# Allegro board 1155001-Timing_board_V3_20241024_1805_pcb.brd (continued)
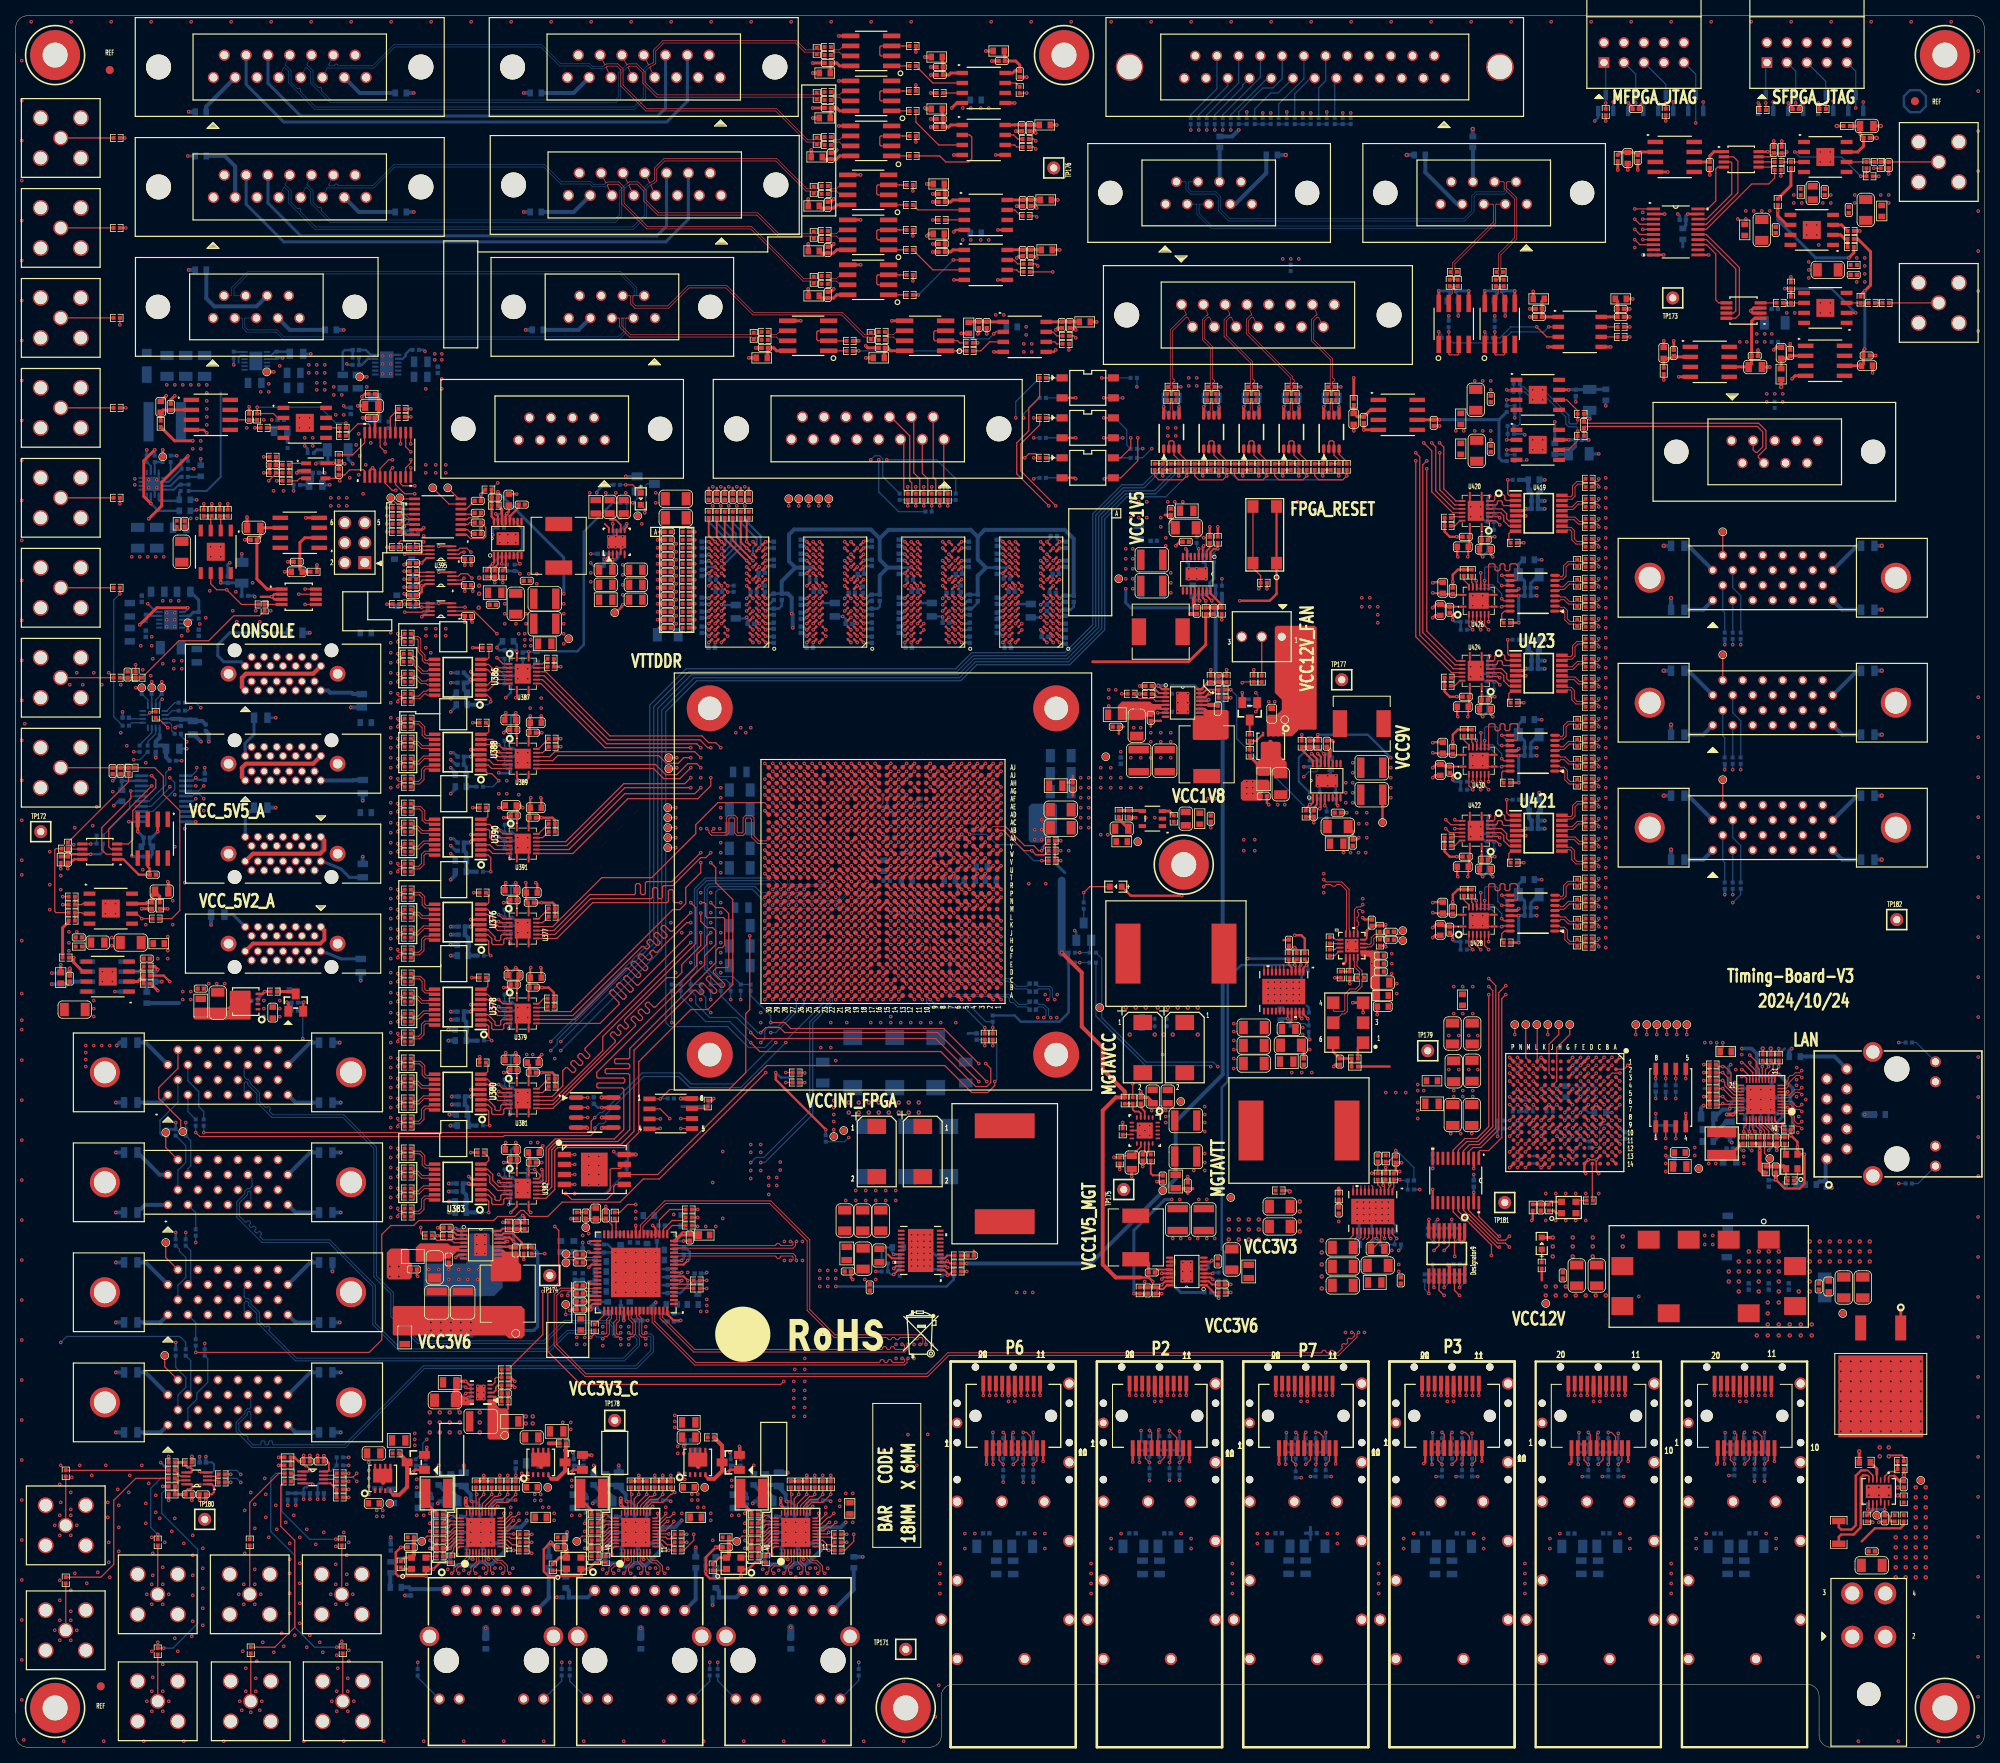
[diagram p0: board, top side]
## Routing (per net, layer and track width the routed paths; a pad name or vN(x,y) marks a point on that pad's centre or on a via; arc(x,y) is an arc through that point) (continued)
DDR3_A_D31: length 37.3
  TOP w0.254: U247.AC2 v1(124.14,118) ; U76.A3 v1(130.97,140.37)
  ART03 w0.102: 127.46,118.73 127.44,118.73 127.19,118.48 125.47,118.48 125.39,118.4 124.42,118.4 124.14,118.12 v1(124.14,118)
  ART03 w0.183: 127.46,118.73 132.92,124.2 132.92,128.22 133.79,129.08 134.89,129.08 135.6,129.79 135.6,134.15 134.7,135.05 134.7,135.31 135.31,135.93 135.31,136.19 135.05,136.45 134.8,136.45 134.18,135.83 133.92,135.83 133.66,136.09 133.66,136.35 134.28,136.96 134.28,137.22 134.02,137.48 133.76,137.48 133.15,136.86 132.89,136.86 132.61,137.14 131.44,137.14 131.26,137.32 131.26,139.5 130.97,139.79 v1(130.97,140.37)
DDR3_A_D32: length 42.6
  TOP w0.254: U77.E3 v1(93.63,144.37) ; U247.AG15 v1(111.14,122)
  ART10 w0.102: v1(111.14,122) 111.14,122.41 110.55,122.99 110.39,122.99 110.08,122.69 109.94,122.69 109.79,122.83 109.79,122.97 110.12,123.3 110.12,125.5 ; v1(93.63,144.37) 94.03,143.97 94.03,139.96
  ART10 w0.183: 110.12,125.5 110.12,126.99 102.93,134.17 101.64,134.17 101.4,134.42 98.1,134.42 97.92,134.6 97.92,134.96 98.1,135.15 99.92,135.15 100.1,135.33 100.1,135.7 99.92,135.88 94.59,135.88 94.41,136.06 94.41,136.43 94.59,136.61 94.94,136.61 95.12,136.79 95.12,137.16 94.94,137.34 94.21,137.34 94.03,137.52 94.03,138.04 94.21,138.22 94.41,138.22 94.59,138.41 94.59,138.77 94.41,138.96 94.21,138.96 94.03,139.14 94.03,139.96
DDR3_A_D33: length 38.9
  TOP w0.254: U77.F7 v1(89.63,144.37) ; U247.AK16 v1(109.14,125)
  ART10 w0.102: v1(109.14,125) 109.14,125.33 109.02,125.45 109.02,125.75 108.5,126.27
  ART10 w0.183: 108.5,126.27 102.24,132.53 95.14,132.53 92.35,135.32 92.35,139.34 91.7,140 91.7,142.09 91.2,142.6 91.2,145.07 91.82,145.69 91.82,146.64 91.46,147 91.1,147 90.91,146.82 90.91,145.83 89.63,144.54 v1(89.63,144.37)
DDR3_A_D34: length 40.3
  TOP w0.254: U247.AH15 v1(111.14,123) ; U77.F2 v1(94.43,144.37)
  ART10 w0.102: v1(111.14,123) 110.64,123.5 110.64,125.2 110.72,125.28 110.72,125.5 ; v1(94.43,144.37) 94.83,143.97 94.83,139.97
  ART10 w0.183: 94.83,139.97 94.83,139.59 95.03,139.39 96,139.39 96.18,139.21 96.18,138.86 96,138.68 95.56,138.68 95.38,138.5 95.38,138.15 95.56,137.97 98.54,137.97 98.74,137.76 98.74,137.4 98.56,137.22 95.79,137.22 95.61,137.03 95.61,136.67 95.8,136.47 100.03,136.47 101.84,134.66 103.14,134.66 110.72,127.08 110.72,125.5
DDR3_A_D35: length 42.2
  TOP w0.102: v1(110.14,121) 110.14,120 U247.AE16
  TOP w0.254: U77.F8 v1(88.83,144.37)
  ART10 w0.102: 89.23,140 89.23,143.97 v1(88.83,144.37) ; 107.64,125.75 107.99,125.4 108.3,125.4 108.54,125.17 108.54,121.92 108.97,121.49 109.26,121.49 109.74,121 v1(110.14,121)
  ART10 w0.183: 107.64,125.75 101.83,131.56 101.45,131.56 101.26,131.38 101.26,131.06 101.08,130.88 100.71,130.88 100.53,131.06 100.53,131.38 100.35,131.56 94.47,131.56 91.38,134.65 91.38,135.6 91.2,135.79 90.67,135.79 90.49,135.97 90.49,136.34 90.67,136.52 91.2,136.52 91.38,136.7 91.38,137.33 91.2,137.51 90.31,137.51 89.23,138.59 89.23,140
DDR3_A_D36: length 42
  TOP w0.254: U77.H3 v1(93.63,145.97) ; U247.AG14 v1(112.14,122)
  ART10 w0.102: v1(112.14,122) 111.7,122.44 111.7,125.37 ; v1(93.63,145.97) 94.03,145.57 95.55,145.57
  ART10 w0.183: 95.55,145.57 95.96,145.57 96.28,145.89 96.28,148.5 96.63,148.85 97.68,148.85 98.07,148.45 98.07,139.82 102.25,135.64 103.54,135.64 111.7,127.48 111.7,125.37
DDR3_A_D37: length 39.7
  TOP w0.254: U247.AJ17 v1(108.14,124) ; U77.H8 v1(88.83,145.97)
  ART10 w0.102: 107.05,125.65 107.06,125.65 107.74,124.97 107.74,124.4 v1(108.14,124) ; 88.43,139.96 88.43,145.57 v1(88.83,145.97)
  ART10 w0.183: 107.05,125.65 102.31,130.39 99.83,130.39 99.64,130.57 99.64,130.89 99.46,131.07 99.09,131.07 98.91,130.89 98.91,130.57 98.73,130.39 98.36,130.39 98.18,130.57 98.18,130.89 98,131.07 97.63,131.07 97.45,130.89 97.45,130.57 97.27,130.39 96.9,130.39 96.72,130.57 96.72,130.89 96.53,131.07 96.17,131.07 95.99,130.89 95.99,130.57 95.8,130.39 94.95,130.39 89.48,135.86 89.48,136.12 89.74,136.38 89.74,136.64 89.48,136.9 89.23,136.9 88.96,136.63 88.7,136.63 88.43,136.91 88.43,139.96
DDR3_A_D38: length 40
  TOP w0.254: U247.AK15 v1(111.14,125) ; U77.G2 v1(94.43,145.17)
  ART10 w0.102: 111.21,125.5 111.21,125.07 v1(111.14,125) ; v1(94.43,145.17) 94.83,144.77 95.51,144.77 95.61,144.68
  ART10 w0.183: 111.21,125.5 111.21,127.28 103.34,135.15 102.05,135.15 98.72,138.48 97.76,138.48 97.53,138.71 97.53,139.47 97.35,139.66 96.72,139.66 96.54,139.84 96.54,140.21 96.72,140.39 97.35,140.39 97.53,140.57 97.53,140.95 97.35,141.14 95.83,141.14 95.65,141.32 95.65,141.83 95.83,142.02 97.53,142.02 97.72,142.2 97.72,142.57 97.53,142.75 95.83,142.75 95.65,142.93 95.65,143.29 95.83,143.47 97.53,143.47 97.72,143.66 97.72,144.02 97.53,144.21 95.85,144.21 95.67,144.39 95.67,144.62 95.61,144.68
DDR3_A_D39: length 40.4
  TOP w0.254: U77.H7 v1(89.63,145.97) ; U247.AH17 v1(108.14,123)
  ART10 w0.102: v1(108.14,123) 107.69,123.44 106.91,123.44 106.65,123.7 106.65,125.36 106.51,125.5
  ART10 w0.183: 106.51,125.5 102.11,129.9 94.74,129.9 87.49,137.16 87.49,146.26 87.78,146.56 89.04,146.56 v1(89.63,145.97)
DDR3_A_D40: length 34
  TOP w0.254: U247.AJ19 v1(106.14,124) ; U77.D7 v1(89.63,142.77)
  ART03 w0.102: v1(106.14,124) 106.71,124.58 106.71,125.27 106.18,125.8 ; 90.16,139.78 90.16,140.04 90.03,140.17 90.03,141.77 89.63,142.17 v1(89.63,142.77)
  ART03 w0.183: 90.16,139.78 90.16,136.28 92,134.44 92.63,134.44 93.83,135.64 94.16,135.64 94.39,135.41 94.39,135.15 94.03,134.8 94.03,134.54 94.29,134.28 94.55,134.28 94.66,134.39 94.94,134.39 97.86,131.48 97.86,131.22 97.52,130.88 97.52,130.62 97.78,130.36 98.03,130.36 98.38,130.7 98.63,130.7 99.37,129.96 101.24,129.96 104.91,126.29 105.69,126.29 106.18,125.8
DDR3_A_D41: length 32.8
  TOP w0.254: U247.AH19 v1(106.14,123) ; U77.C3 v1(93.63,141.97)
  ART03 w0.102: 108.41,125.5 108.41,125.3 108.54,125.17 108.54,123.78 108.28,123.52 106.66,123.52 v1(106.14,123)
  ART03 w0.183: 108.41,125.5 108.41,126.16 106.6,127.97 105.46,127.97 101.8,131.62 100.29,131.62 96.5,135.41 96.5,136.29 95.5,137.29 93.35,137.29 93.16,137.48 93.16,138.35 93.35,138.53 93.8,138.53 93.98,138.71 93.98,139.08 93.8,139.26 93.35,139.26 93.16,139.44 93.16,141.51 v1(93.63,141.97)
DDR3_A_D42: length 36
  TOP w0.254: U77.C8 v1(88.83,141.97) ; U247.AD19 v1(107.14,119)
  ART03 w0.102: v1(88.83,141.97) 88.43,141.57 88.43,140 ; v1(107.14,119) 107.06,119 106.71,119.35 106.71,120.22 106.4,120.52 105.94,120.52 105.64,120.83 105.64,122.15 105.39,122.4 104.92,122.4 104.61,122.71 104.61,124.19 104.31,124.49 103.72,124.49 103.61,124.6 103.61,125.43 103.48,125.55
  ART03 w0.183: 88.43,140 88.43,135.94 90.91,133.46 90.91,133.09 95.5,128.5 100.53,128.5 103.48,125.55
DDR3_A_D43: length 37.5
  TOP w0.254: U247.AF17 v1(108.14,121) ; U77.C2 v1(94.43,141.97)
  ART03 w0.102: 110.51,125.5 110.51,122.35 109.56,121.4 108.54,121.4 v1(108.14,121) ; 95.71,142.69 95.39,142.37 94.83,142.37 v1(94.43,141.97)
  ART03 w0.183: 110.51,125.5 110.51,126.82 107.41,129.92 106.27,129.92 98.41,137.77 98.41,141.67 97.96,142.12 97.96,144.16 97.46,144.65 96.36,144.65 95.88,144.17 95.88,142.85 95.71,142.69
DDR3_A_D44: length 32.3
  TOP w0.254: U247.AK19 v1(106.14,125) ; U77.A7 v1(89.63,140.37)
  ART03 w0.183: v1(89.63,140.37) 89.67,140.32 89.67,139.97 89.4,139.69 89.4,139.33 89.67,139.06 89.67,138.6 89.41,138.34 89.41,136.34 91.93,133.82 91.93,133.46 92.15,133.24 92.41,133.24 92.84,133.66 93.09,133.66 93.35,133.4 93.35,133.14 92.93,132.72 92.93,132.46 93.19,132.2 93.45,132.2 93.86,132.61 94.12,132.61 94.39,132.34 94.65,132.34 95.09,132.78 95.35,132.78 95.6,132.52 95.6,132.26 95.17,131.82 95.17,131.56 95.43,131.31 95.69,131.31 96.12,131.74 96.38,131.74 96.64,131.48 96.64,131.22 96.2,130.79 96.2,130.53 97.26,129.47 100.94,129.47 104.61,125.8 105.49,125.8 106.14,125.15 v1(106.14,125)
DDR3_A_D45: length 37.1
  TOP w0.254: U77.A2 v1(94.43,140.37) ; U247.AG18 v1(108.14,122)
  ART03 w0.102: v1(94.43,140.37) 94.43,140.54 94.66,140.77 95.46,140.77 95.68,141 95.88,141 ; v1(108.14,122) 108.44,122 108.83,122.4 109.17,122.4 109.54,122.77 109.54,125.5
  ART03 w0.183: 95.88,141 97.25,141 97.44,140.81 97.44,140.05 97.25,139.87 97.13,139.87 96.94,139.69 96.94,139.32 97.13,139.14 97.25,139.14 97.44,138.96 97.44,137.37 97.8,137.01 97.8,136.75 97.48,136.43 97.48,136.17 97.73,135.91 97.99,135.91 98.31,136.23 98.57,136.23 98.83,135.97 98.83,135.71 98.33,135.22 98.33,134.96 98.59,134.7 98.85,134.7 99.35,135.2 99.61,135.2 99.87,134.94 99.87,134.68 99.37,134.18 99.37,133.92 99.63,133.66 99.89,133.66 100.38,134.16 100.64,134.16 100.9,133.9 100.9,133.65 100.4,133.15 100.4,132.89 100.66,132.63 100.92,132.63 101.42,133.13 101.68,133.13 105.87,128.94 107.01,128.94 109.54,126.41 109.54,125.5
DDR3_A_D46: length 34.5
  TOP w0.254: U247.AE19 v1(107.14,120) ; U77.B8 v1(88.83,141.17)
  ART03 w0.102: 88.91,139.61 88.91,139.89 89.23,140.2 89.23,140.77 v1(88.83,141.17) ; v1(107.14,120) 107.14,120.33 106.54,120.93 106.54,122.24 106.27,122.5 106.02,122.5 105.59,122.94 105.59,125.11 105.3,125.4 104.32,125.4 104.02,125.7
  ART03 w0.183: 88.91,139.61 88.91,136.15 91.4,133.66 91.4,133.29 93.37,131.32 93.63,131.32 93.73,131.42 93.99,131.42 94.25,131.16 94.25,130.9 94.17,130.83 94.17,130.57 94.43,130.31 94.69,130.31 94.76,130.38 95.02,130.38 96.42,128.99 100.74,128.99 104.02,125.7
DDR3_A_D47: length 34.8
  TOP w0.254: U77.A3 v1(93.63,140.37) ; U247.AG19 v1(107.14,122)
  ART03 w0.102: 108.89,125.5 108.89,125.34 108.74,125.19 108.74,122.91 108.43,122.6 107.36,122.6 107.14,122.38 v1(107.14,122)
  ART03 w0.183: v1(93.63,140.37) 93.74,140.37 94.6,139.51 94.6,138.44 94.79,138.25 95.15,138.25 95.34,138.44 95.34,139.85 95.91,140.43 96.27,140.43 96.46,140.25 96.46,139.94 95.89,139.38 95.89,139.1 96.08,138.92 96.26,138.92 96.45,138.73 96.45,138.37 96.26,138.19 96.11,138.19 95.89,137.97 95.89,137.59 96.99,136.49 96.99,135.61 100.49,132.11 102.01,132.11 105.66,128.45 106.81,128.45 108.89,126.36 108.89,125.5
DDR3_A_D48: length 50.7
  TOP w0.254: U78.E3 v1(106.07,144.37) ; v1(109.14,117) U247.AB17
  ART10 w0.102: v1(106.07,144.37) 105.47,143.76 105.47,143.3 105.59,143.17 107.96,143.17 108.05,143.08 ; 115.48,126.09 115.48,125.82 115.54,125.76 115.54,116.74 115.4,116.6 109.54,116.6 v1(109.14,117)
  ART10 w0.183: 115.48,126.09 115.48,132.33 110.27,137.54 110.27,137.87 110.54,138.14 110.54,138.4 110.32,138.61 110,138.61 109.75,138.36 109.51,138.36 109.23,138.64 109.23,138.89 109.68,139.34 109.68,140.8 109.9,141.02 109.9,141.53 109.68,141.75 109.68,142.88 109.5,143.06 109.24,143.06 109.05,142.88 109.05,139.6 108.79,139.34 108.43,139.34 108.24,139.52 108.24,142.89 108.05,143.08
DDR3_A_D49: length 51.9
  TOP w0.254: U78.F7 v1(102.07,144.37) ; v1(109.14,118) U247.AC17
  ART10 w0.102: 114.23,125.5 114.23,125.47 114.55,125.15 114.55,119.84 114.22,119.51 114.05,119.51 113.67,119.13 113.67,118.87 113.36,118.57 109.98,118.57 109.41,118 v1(109.14,118)
  ART10 w0.183: 114.23,125.5 114.23,131.5 107.03,138.7 105.75,138.7 104.57,139.88 104.57,141.87 102.79,143.65 102.79,144.17 104.07,145.45 104.07,146.06 104.26,146.24 104.85,146.24 105.03,146.42 105.03,146.79 104.85,146.97 104.31,146.97 104.13,147.15 104.13,149.32 103.92,149.53 103.18,149.53 102.64,149 102.64,148.5 103.41,147.73 103.41,145.71 v1(102.07,144.37)
DDR3_A_D50: length 49.3
  TOP w0.254: v1(108.14,117) U247.AB18 ; U78.F2 v1(106.87,144.37)
  ART10 w0.102: 115.96,126.03 115.96,125.41 115.74,125.19 115.74,121.6 115.84,121.5 116.23,121.5 116.33,121.4 116.33,121.19 116.23,121.09 115.84,121.09 115.74,120.99 115.74,116.5 115.64,116.4 111.15,116.4 111.04,116.3 111.04,115.97 110.94,115.87 110.74,115.87 110.64,115.97 110.64,116.3 110.54,116.4 108.74,116.4 v1(108.14,117) ; 107.93,143.97 106.98,143.97 106.87,144.07 v1(106.87,144.37)
  ART10 w0.183: 107.93,143.97 108.05,143.97 108.58,143.43 109.91,143.43 110.73,142.61 110.73,142.35 110.44,142.05 110.44,141.8 110.81,141.43 110.81,140.72 110.63,140.54 110.26,140.54 110.08,140.36 110.08,139.99 110.26,139.81 110.63,139.81 110.81,139.63 110.81,139.19 111.27,138.73 111.27,138.14 110.95,137.83 110.95,137.57 111.35,137.18 111.6,137.18 111.81,137.38 112.06,137.38 112.32,137.12 112.32,136.86 112.12,136.66 112.12,136.4 112.38,136.14 112.64,136.14 112.84,136.34 113.1,136.34 113.36,136.08 113.36,135.83 113.16,135.63 113.16,135.37 113.42,135.11 113.67,135.11 113.87,135.31 114.13,135.31 114.39,135.05 114.39,134.79 114.19,134.59 114.19,134.33 114.45,134.07 114.78,134.07 115.02,134.31 115.28,134.31 115.54,134.05 115.54,133.79 115.26,133.52 115.26,133.26 115.96,132.56 115.96,126.03
DDR3_A_D51: length 51.8
  TOP w0.254: U247.AD17 v1(109.14,119) ; U78.F8 v1(101.27,144.37)
  ART10 w0.102: v1(109.14,119) 108.81,119 108.71,119.1 108.71,119.39 108.93,119.6 109.51,119.6 109.66,119.75 109.66,119.99 109.77,120.09 109.97,120.09 110.07,119.99 110.07,119.7 110.17,119.6 110.33,119.6 110.48,119.75 110.48,119.99 110.58,120.09 110.78,120.09 110.88,119.99 110.88,119.7 110.98,119.6 111.14,119.6 111.29,119.75 111.29,119.99 111.39,120.09 111.59,120.09 111.7,119.99 111.7,119.7 111.8,119.6 113.33,119.6 113.54,119.81 113.54,121.97 113.43,122.07 113.04,122.07 112.94,122.17 112.94,122.38 113.04,122.48 113.43,122.48 113.54,122.58 113.54,125.17 113.25,125.45 113.25,125.5 ; 101.67,142.51 101.67,143.97 v1(101.27,144.37)
  ART10 w0.183: 113.25,125.5 113.25,128.32 112.52,129.04 112.52,129.34 113.25,130.07 113.25,130.36 113.01,130.6 112.75,130.6 111.99,129.84 111.73,129.84 111.47,130.1 111.47,130.35 112.17,131.05 112.17,131.31 111.91,131.57 111.65,131.57 110.95,130.87 110.7,130.87 110.44,131.13 110.44,131.39 110.93,131.88 110.93,132.14 110.67,132.4 110.41,132.4 109.92,131.91 109.66,131.91 109.4,132.16 109.4,132.42 109.89,132.91 109.89,133.17 109.63,133.43 109.38,133.43 108.88,132.94 108.63,132.94 108.37,133.2 108.37,133.46 108.86,133.95 108.86,134.21 108.6,134.47 108.34,134.47 107.85,133.98 107.59,133.98 107.33,134.23 107.33,134.49 107.82,134.98 107.82,135.24 107.57,135.5 107.31,135.5 107.18,135.37 106.92,135.37 106.66,135.63 106.66,135.89 106.79,136.02 106.79,136.28 102.22,140.84 101.88,140.84 101.71,141.01 101.71,141.41 101.9,141.6 102.21,141.6 102.41,141.81 102.41,142.13 102.21,142.33 101.86,142.33 101.67,142.51
DDR3_A_D52: length 47.7
  TOP w0.254: U78.H3 v1(106.07,145.97) ; U247.AA18 v1(107.14,116)
  ART10 w0.102: 116.94,125.5 116.94,125.12 116.74,124.92 116.74,115.75 116.39,115.4 108.12,115.4 107.52,116 v1(107.14,116) ; 107.92,145.57 106.47,145.57 v1(106.07,145.97)
  ART10 w0.183: 107.92,145.57 109.19,145.57 111.79,142.98 111.79,139.67 116.94,134.52 116.94,125.5
DDR3_A_D53: length 49.2
  TOP w0.254: U78.H8 v1(101.27,145.97) ; U247.AD18 v1(108.14,119)
  ART10 w0.102: v1(108.14,119) 107.92,119 107.82,119.1 107.82,119.47 107.92,119.57 108.42,119.57 108.65,119.8 108.65,120.13 108.92,120.4 112.5,120.4 112.74,120.64 112.74,125.19 112.67,125.25 112.67,125.5 ; v1(101.27,145.97) 101.67,145.57 101.67,144.87 101.57,144.77 101.05,144.77 100.87,144.59 100.87,140
  ART10 w0.183: 112.67,125.5 112.67,128.2 106.85,134.03 106.85,134.76 106.45,135.15 105.72,135.15 105.42,135.46 105.42,135.72 105.84,136.14 105.84,136.4 105.58,136.66 105.32,136.66 104.9,136.23 104.64,136.23 104.38,136.49 104.38,136.75 104.88,137.24 104.88,137.5 104.62,137.76 104.36,137.76 103.46,136.86 103.2,136.86 102.94,137.12 102.94,137.38 103.84,138.28 103.84,138.54 103.58,138.8 103.32,138.8 102.19,137.66 101.93,137.66 101.67,137.92 101.67,138.18 102.81,139.31 102.81,139.57 102.55,139.83 102.23,139.83 101.5,139.09 101.21,139.09 100.87,139.42 100.87,140
DDR3_A_D54: length 49.7
  TOP w0.254: U78.G2 v1(106.87,145.17) ; v1(107.14,117) U247.AB19
  ART10 w0.102: v1(106.87,145.17) 106.87,144.99 107.1,144.77 107.84,144.77 108.13,145.06 108.48,145.06 ; 116.45,126.05 116.45,125.44 116.54,125.35 116.54,115.84 116.3,115.6 108.93,115.6 108.64,115.9 108.64,116.09 108.14,116.58 107.5,116.58 107.14,116.94 v1(107.14,117)
  ART10 w0.183: 116.45,126.05 116.45,132.85 116.05,133.25 116.05,133.58 116.45,133.98 116.45,134.32 115.79,134.98 115.53,134.98 115.47,134.92 115.21,134.92 114.95,135.18 114.95,135.44 115.01,135.5 115.01,135.76 114.75,136.02 114.49,136.02 114.43,135.96 114.17,135.96 113.91,136.22 113.91,136.48 113.97,136.54 113.97,136.8 113.72,137.05 113.46,137.05 113.4,136.99 113.14,136.99 112.88,137.25 112.88,137.51 112.94,137.57 112.94,137.83 112.68,138.09 112.42,138.09 112.36,138.03 112.1,138.03 111.84,138.29 111.84,138.55 111.91,138.61 111.91,138.86 111.3,139.47 111.3,142.78 109.83,144.24 109.57,144.24 109.25,143.92 108.94,143.92 108.7,144.16 108.7,144.41 109.02,144.73 109.02,144.91 108.86,145.06 108.48,145.06
DDR3_A_D55: length 49
  TOP w0.254: U247.AE18 v1(108.14,120) ; U78.H7 v1(102.07,145.97)
  ART10 w0.102: v1(108.14,120) 108.74,120.6 112.3,120.6 112.54,120.83 112.54,124.22 112.19,124.57 112.19,125.5
  ART10 w0.183: 112.19,125.5 112.19,128 103.81,136.37 102.53,136.37 100.13,138.77 100.13,139.03 100.29,139.18 100.29,139.44 100.03,139.7 99.77,139.7 99.62,139.55 99.36,139.55 99.06,139.84 99.06,140.25 99.24,140.44 99.82,140.44 100,140.62 100,140.99 99.82,141.17 99.24,141.17 99.06,141.35 99.06,141.72 99.24,141.9 99.79,141.9 99.97,142.08 99.97,142.45 99.79,142.63 99.24,142.63 99.06,142.81 99.06,143.18 99.24,143.36 99.74,143.36 99.92,143.55 99.92,143.91 99.74,144.09 99.24,144.09 99.06,144.28 99.06,144.64 99.24,144.83 99.74,144.83 99.92,145.01 99.92,145.37 99.74,145.56 99.27,145.56 99.09,145.74 99.09,147.07 99.43,147.42 99.97,147.42 100.3,147.1 101.89,147.1 102.07,146.91 v1(102.07,145.97)
DDR3_A_D56: length 44.6
  TOP w0.254: U78.D7 v1(102.07,142.77) ; U247.AD14 v1(112.14,119)
  ART03 w0.102: 112.55,126.77 112.55,125.21 112.74,125.02 112.74,119.6 v1(112.14,119)
  ART03 w0.183: 112.55,126.77 112.55,127.49 112.87,127.81 112.87,128.23 112.55,128.54 112.55,129.14 112,129.69 112,129.95 112.19,130.14 112.19,130.4 111.93,130.66 111.67,130.66 111.48,130.47 111.22,130.47 110.96,130.73 110.96,130.99 111.15,131.18 111.15,131.43 110.89,131.69 110.64,131.69 110.45,131.5 110.19,131.5 109.93,131.76 109.93,132.02 110.12,132.21 110.12,132.47 109.86,132.73 109.6,132.73 109.41,132.54 109.15,132.54 108.66,133.03 108.41,133.03 107.55,132.17 107.29,132.17 107.03,132.43 107.03,132.69 107.89,133.55 107.89,133.8 107.61,134.08 107.36,134.08 106.9,133.62 106.64,133.62 106.38,133.88 106.38,134.14 106.84,134.6 106.84,134.85 106.58,135.11 106.32,135.11 105.81,134.61 105.55,134.61 105.3,134.86 105.3,135.12 105.8,135.63 105.8,135.89 105.55,136.15 105.29,136.15 104.83,135.69 104.57,135.69 104.31,135.95 104.31,136.21 104.77,136.67 104.77,136.92 104.5,137.2 104.5,137.94 103.57,138.87 103.57,139.92 103.94,140.3 103.94,140.56 103.68,140.81 103.42,140.81 103.05,140.44 102.79,140.44 102.29,140.94 102.29,142.02 103.26,142.99 103.26,143.66 103.07,143.84 102.77,143.84 102.58,143.66 102.58,143.38 102.07,142.87 v1(102.07,142.77)
DDR3_A_D57: length 43.3
  TOP w0.254: U247.AC14 v1(112.14,118) ; U78.C3 v1(106.07,141.97)
  ART03 w0.102: v1(112.14,118) 112.54,117.6 114.33,117.6 114.54,117.81 114.54,125.5
  ART03 w0.183: 114.54,125.5 114.54,130.18 113.85,130.86 113.85,131.13 107.55,137.43 107.55,138 107.91,138.37 107.91,138.63 107.69,138.86 106.91,138.86 105.55,140.21 105.55,141.84 105.11,142.29 104.21,142.29 103.75,142.74 103.75,145.88 103.93,146.07 104.4,146.07 104.58,145.88 104.58,143.46 v1(106.07,141.97)
DDR3_A_D58: length 41.3
  TOP w0.254: U78.C8 v1(101.27,141.97) ; U247.AA16 v1(109.14,116)
  ART03 w0.102: v1(101.27,141.97) 101.4,142.1 101.74,142.1 101.85,141.99 101.85,141.02 101.67,140.84 101.67,140.18 ; 111.56,126.39 111.56,125.83 111.74,125.65 111.74,120.7 111.44,120.4 108.87,120.4 108.74,120.26 108.74,116.4 v1(109.14,116)
  ART03 w0.183: 101.67,140.18 101.67,140.06 100.99,139.38 100.73,139.38 99.99,140.12 99.73,140.12 99.47,139.86 99.47,139.6 100.21,138.86 100.21,138.6 99.97,138.36 99.97,137.93 106.73,131.17 107.85,131.17 108.26,130.76 108.52,130.76 108.61,130.85 108.87,130.85 109.13,130.59 109.13,130.34 109.04,130.24 109.04,129.98 109.3,129.72 109.55,129.72 109.65,129.82 109.91,129.82 110.17,129.56 110.17,129.3 110.07,129.21 110.07,128.95 110.33,128.69 110.59,128.69 110.68,128.78 110.94,128.78 111.2,128.52 111.2,128.27 111.11,128.17 111.11,127.91 111.56,127.46 111.56,126.39
DDR3_A_D59: length 43.5
  TOP w0.254: U78.C2 v1(106.87,141.97) ; U247.AA15 v1(110.14,115)
  ART03 w0.102: 107.98,142.37 107.27,142.37 v1(106.87,141.97) ; v1(110.14,115) 110.37,115 111.77,116.4 115.51,116.4 115.74,116.62 115.74,125.17 115.98,125.41
  ART03 w0.183: 115.98,125.41 116.02,125.46 116.02,134.21 115.26,134.97 115,134.97 114.73,134.7 114.47,134.7 114.21,134.96 114.21,135.22 114.49,135.49 114.49,135.75 114.23,136.01 113.97,136.01 113.68,135.72 113.42,135.72 113.18,135.97 113.18,136.25 113.45,136.53 113.45,136.78 113.19,137.04 112.93,137.04 112.66,136.77 112.4,136.77 112.14,137.03 112.14,137.29 112.42,137.56 112.42,137.82 110.84,139.39 110.58,139.39 110.24,139.05 109.98,139.05 109.72,139.31 109.72,139.57 110.07,139.91 110.07,140.17 109.81,140.43 109.81,140.44 109.42,140.83 109.42,141.08 109.7,141.36 109.7,141.84 109.17,142.37 107.98,142.37
DDR3_A_D60: length 41.1
  TOP w0.254: U247.AE15 v1(110.14,119) ; U78.A7 v1(102.07,140.37)
  ART03 w0.102: v1(110.14,119) 110.14,119.1 110.5,119.47 112.17,119.47 112.54,119.83 112.54,124.84 112.15,125.23 112.15,125.88 112.04,125.98 112.04,126.49
  ART03 w0.183: 112.04,126.49 112.04,128.54 108.93,131.66 106.93,131.66 106.22,132.37 106.22,132.63 106.29,132.7 106.29,132.96 106.03,133.22 105.77,133.22 105.7,133.15 105.44,133.15 105.18,133.41 105.18,133.67 105.25,133.74 105.25,134 104.99,134.25 104.73,134.25 104.66,134.18 104.41,134.18 103.82,134.78 103.82,135.03 104.02,135.24 104.02,135.5 103.76,135.76 103.5,135.76 103.3,135.55 103.04,135.55 102.78,135.81 102.78,136.07 103.99,137.28 103.99,137.54 103.73,137.79 103.47,137.79 102.26,136.59 102,136.59 101.75,136.84 101.75,137.1 103.09,138.45 103.09,138.71 102.83,138.97 102.58,138.97 101.23,137.62 100.97,137.62 100.7,137.89 100.7,138.36 102.26,139.93 102.26,140.19 v1(102.07,140.37)
DDR3_A_D61: length 41.5
  TOP w0.254: U247.Y16 v1(109.14,115) ; U78.A2 v1(106.87,140.37)
  ART03 w0.102: 115.54,125.5 115.54,116.71 115.43,116.6 109.86,116.6 109.58,116.32 109.58,115.44 v1(109.14,115) ; v1(106.87,140.37) 107.27,140.77 107.27,141.46 107.38,141.57 107.95,141.57
  ART03 w0.183: 107.95,141.57 108.85,141.57 109.02,141.4 109.02,140.53 109.18,140.37 109.18,138.77 109.97,137.99 110.23,137.99 110.65,138.41 110.91,138.41 111.17,138.15 111.17,137.89 110.88,137.6 110.88,137.35 114.35,133.88 114.75,133.88 114.84,133.97 115.1,133.97 115.29,133.78 115.29,133.52 115.13,133.36 115.13,133.1 115.54,132.69 115.54,125.5
DDR3_A_D62: length 39.2
  TOP w0.254: U247.AA17 v1(108.14,116) ; U78.B8 v1(101.27,141.17)
  ART03 w0.102: v1(108.14,116) 108.54,116.4 108.54,120.35 108.79,120.6 111.36,120.6 111.54,120.78 111.54,125.19 111.4,125.32 111.4,125.35 ; 100.06,142.37 100.71,142.37 100.87,142.2 100.87,141.57 v1(101.27,141.17)
  ART03 w0.183: 111.4,125.35 111.07,125.68 111.07,127.26 107.65,130.68 106.53,130.68 98.98,138.23 98.98,141.81 99.55,142.37 100.06,142.37
DDR3_A_D63: length 44.5
  TOP w0.254: U247.AB15 v1(111.14,117) ; U78.A3 v1(106.07,140.37)
  ART03 w0.102: 115.02,125.5 115.02,119.56 114.74,119.27 114.74,117.73 114.41,117.4 111.54,117.4 v1(111.14,117)
  ART03 w0.183: v1(106.07,140.37) 106.17,140.37 107.13,139.41 107.52,139.41 108.01,139.9 108.29,139.9 108.61,139.58 108.61,139.33 108.38,139.1 108.38,138.84 108.65,138.56 108.65,138.31 108.14,137.79 108.14,137.53 108.4,137.27 108.65,137.27 109.17,137.79 109.43,137.79 109.69,137.53 109.69,137.27 109.17,136.76 109.17,136.5 109.43,136.24 109.69,136.24 110.2,136.75 110.46,136.75 110.72,136.49 110.72,136.24 110.21,135.72 110.21,135.46 110.47,135.2 110.72,135.2 111.24,135.72 111.5,135.72 111.76,135.46 111.76,135.2 111.24,134.69 111.24,134.43 111.5,134.17 111.76,134.17 112.27,134.68 112.53,134.68 112.79,134.42 112.79,134.17 112.28,133.65 112.28,133.39 112.53,133.13 112.79,133.13 113.31,133.65 113.57,133.65 113.83,133.39 113.83,133.13 113.31,132.62 113.31,132.36 113.57,132.1 113.83,132.1 114.34,132.61 114.6,132.61 115.02,132.19 115.02,131.78 114.84,131.6 114.63,131.6 114.44,131.41 114.44,131.05 114.63,130.87 114.84,130.87 115.02,130.68 115.02,125.5
DDR3_A_DM0: length 34.6
  TOP w0.254: U75.E7 v1(114.52,143.57) ; U247.AF7 v1(119.14,121)
  ART10 w0.102: v1(119.14,121) 118.54,121.6 118.54,125.29 118.61,125.36 118.61,126.53 118.87,126.8 119.04,126.97 119.04,127.33
  ART10 w0.183: 119.04,127.33 119.04,127.53 120.18,128.66 120.18,129.71 119.98,129.9 119.98,130.44 120.18,130.63 120.18,131.17 119.98,131.36 119.98,131.9 120.18,132.09 120.18,132.63 119.98,132.83 119.98,133.37 120.18,133.56 120.18,134.23 119.8,134.61 119.23,134.61 119.04,134.79 119.04,135.15 119.23,135.34 119.8,135.34 119.98,135.52 119.98,135.89 119.8,136.07 118.58,136.07 118.4,136.25 118.4,136.62 118.58,136.8 119.4,136.8 119.58,136.98 119.58,137.36 119.4,137.54 118.67,137.54 116.54,139.68 116.54,142.27 115.62,143.18 115.62,144.77 115.44,144.96 115.18,144.96 115,144.77 115,144.05 v1(114.52,143.57)
